# Altium PCB F21-MAIN-CTM - BOM.PcbDoc (continued)
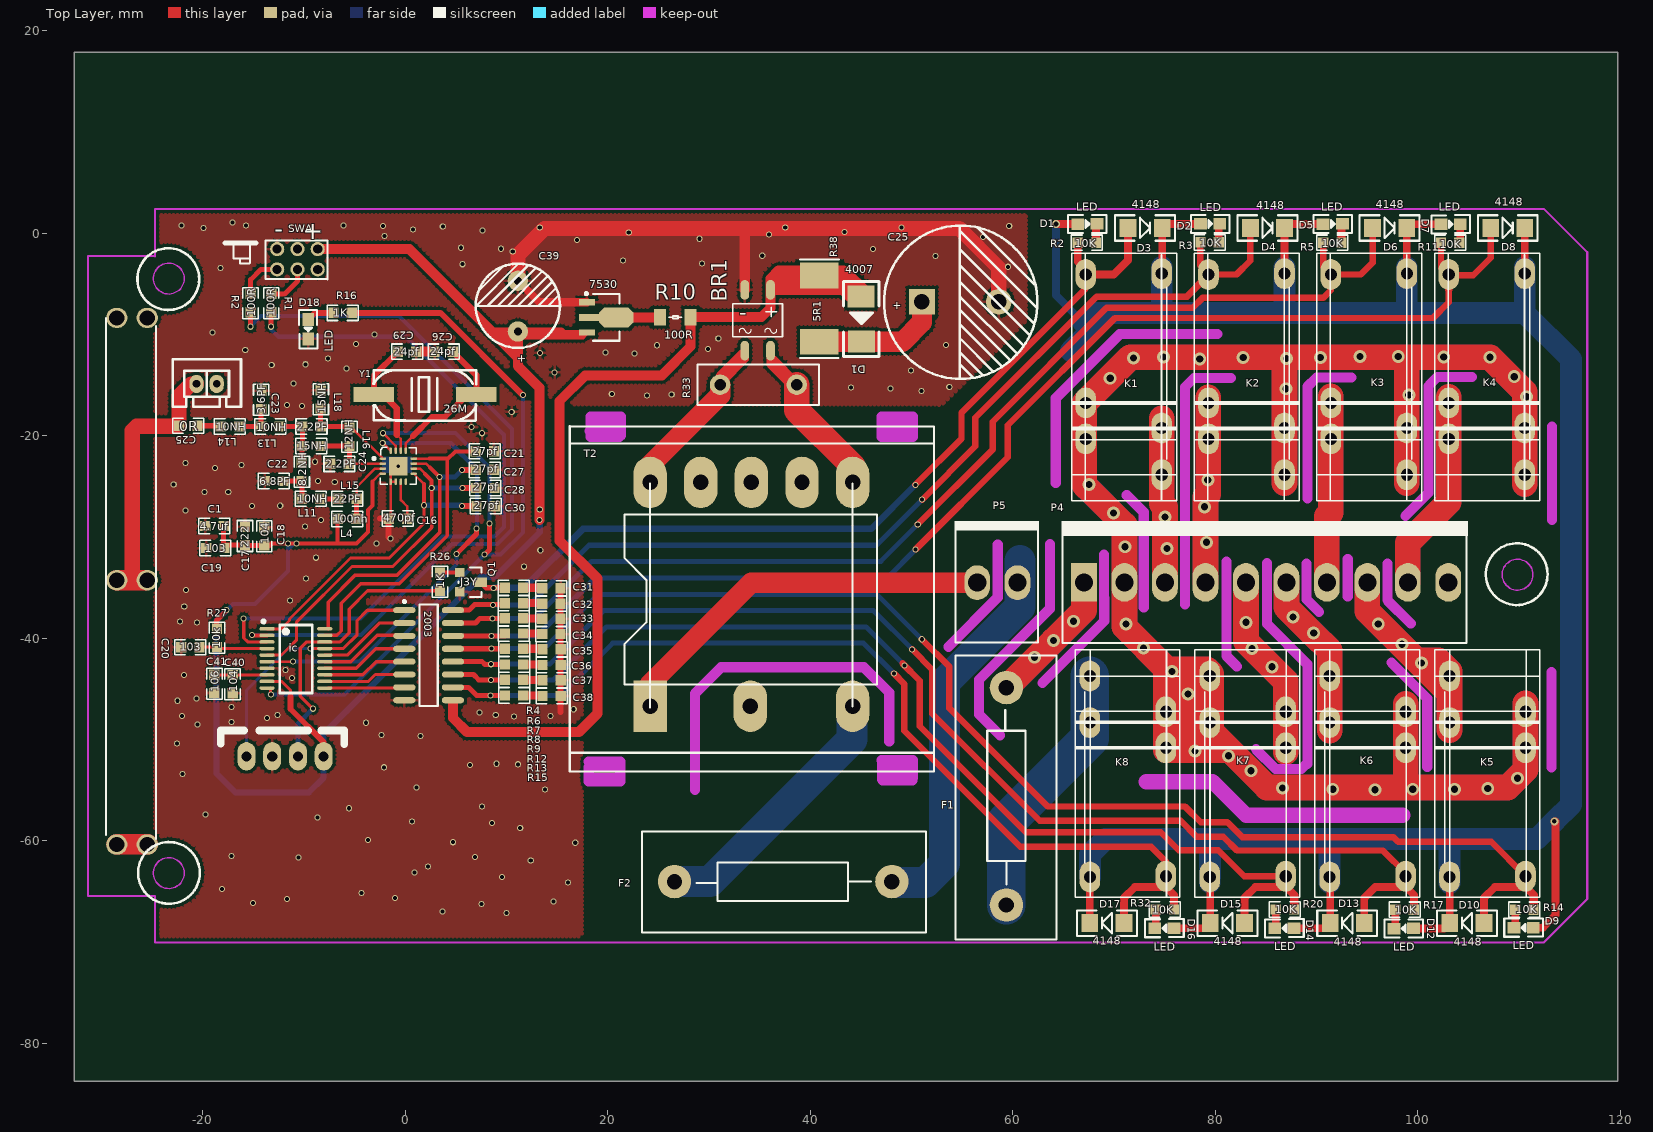
[diagram p0: Top Layer view]
## Nets (pads, with @x,y where several pads share a name; then routed paths per layer and width w, separated by ;. In a path a pad name is that pad's centre, name@x,y a point inside that pad or via, vN(x,y) a via of type N, cw(c..) or ccw(c..) an arc to the next point about the centre after c; other vN are vias at no path point) (continued)
Net2_15: D6.1 K3.4 R5.2 | length 63.9
  Top Layer w0.635: v1(50.605,-28.736) 58.001,-21.34 58.001,-18.597 69.253,-7.345 77.762,-7.345 78.727,-6.38 90.64,-6.38 91.402,-5.618 K3.4@91.402,-4.104 ; K3.4@90.64,-3.342 R5.2 ; K3.4 94.353,-4.062 95.519,-2.896 D6.1
Net2_16: D4.1 K2.4 R3.2 | length 53.6
  Top Layer w0.635: v1(51.037,-26.297) 56.299,-21.035 56.299,-18.216 68.263,-6.253 77.125,-6.253 ; R3.2 78.522,-3.177 79.407,-4.062 82.086,-4.062 83.454,-2.695 D4.1 ; K2.4@79.316,-4.147 77.21,-6.253 77.125,-6.253 ; K2.4 77.125,-6.253
Net3_1: 
Net3_2: 
Net3_3: 
Net3_5: 
NetC1_2: 
NetC2_2: 
NetC8_2: 
NetC11_2: 
NetC14_2: 
NetC15_2: 
NetC16_2: 
NetC17_2: 
NetC18_2: 
NetC19_2: 
NetC20_2: 
NetC21_2: 
NetC22_2: 
NetC23_1: T2.4 | length 11.9
  Top Layer w2.54: 38.663,-14.946 38.663,-17.454 44.176,-22.967 T2.4
NetC23_2: T2.3 | length 12.5
  Top Layer w2.032: T2.3 24.176,-22.891 31.085,-15.981 31.085,-14.946
NetC25_1: C25.1@51.019,-6.756
NetD1_2: D1.2@68.313,0.928 R2.1@68.218,-0.919 | length 1.8
  Top Layer w0.762: R2.1@68.218,-0.919 D1.2@68.218,0.833
NetD2_1: D2.1 K1.4 R2.2@66.408,-0.919 | length 84.7
  Top Layer w0.508: K1.4@67.198,-5.362 K1.4
  Top Layer w0.635: v1(50.368,-24.833) 54.927,-20.273 54.927,-17.708 67.198,-5.438 K1.4@67.198,-5.362
  Top Layer w0.762: R2.2@66.408,-0.919 66.408,-2.773 67.697,-4.062 69.971,-4.062 71.363,-2.669 D2.1 D2.1@71.336,0.502
  Bottom Layer w0.635: 8.738,-35.008 11.728,-35.008 17.547,-29.189 46.012,-29.189 v1(50.368,-24.833)
NetD3_2: D3.2 R3.1 | length 1.7
  Top Layer w0.762: R3.1 D3.2@80.332,0.846
NetD5_2: D5.2 R5.1 | length 1.8
  Top Layer w0.762: R5.1 D5.2@92.45,0.833
NetD7_2: D7.2 R11.1 | length 1.7
  Top Layer w0.762: R11.1@104.178,-0.823 D7.2
NetD9_2: D9.2 R14.1 | length 1.6
  Top Layer w0.762: D9.2@109.607,-68.431 R14.1
NetD11_1: 
NetD12_2: D12.2 R17.1 | length 1.7
  Top Layer w0.762: D12.2@97.771,-68.525 R17.1
NetD14_2: D14.2 R20.1 | length 1.8
  Top Layer w0.762: D14.2@85.96,-68.525 R20.1
NetD16_2: D16.2 R32.1 | length 1.8
  Top Layer w0.762: D16.2@74.098,-68.532 R32.1
NetF1_1: F1.1 K8.2 | length 26
  Bottom Layer w3.81: F1.1 59.366,-58.096 67.6,-49.862 67.6,-48.311 K8.2@67.6,-43.707
NetF1_2: F1.2 P4.1 | length 27.2
  Top Layer w2.54: F1.2 v2(64.021,-40.206) 67.018,-37.209 P4.1
  Bottom Layer w2.54: F1.2 59.423,-44.861 v2(65.977,-38.307) 67.018,-37.266 P4.1
  other v2: 62.141,-41.863
NetF2_1: F2.1 P5.2 | length 39
  Bottom Layer w3.048: F2.1@48.038,-64.091 51.369,-64.091 53.245,-62.215 53.245,-44.359 60.719,-36.885 60.719,-32.288
NetF2_2: F2.2 T2.2 | length 25.8
  Bottom Layer w3.048: F2.2 30.099,-64.016 44.125,-49.991 T2.2@44.125,-47.541
NetK1_1: K1.1 P4.3 | length 32.7
  Top Layer w2.54: K1.1@74.701,-18.267 74.701,-19.228 74.701,-23.832 74.701,-26.687 75.014,-27 v2(75.014,-27.995) P4.3
  Bottom Layer w2.54: K1.1@74.701,-18.267 74.701,-19.228 74.701,-23.832 74.701,-26.687 75.014,-27 v2(75.014,-27.995) P4.3
  other v2: 75.222,-31.119
NetK1_2: K1.2 K2.2 K3.2 K4.2 K5.2 K6.2 K7.2 K8.1 P4.2 | length 383.3
  Top Layer w2.54: K7.2@78.651,-48.696 79.083,-48.696 79.439,-49.052 v2@81.407,-51.02 ; K2.2@86.819,-24.642 86.819,-23.832 86.819,-19.228 v2@86.819,-12.745 ; 98.782,-54.626 98.782,-50.798 98.782,-47.242 K6.2@98.782,-46.461 ; K3.2@98.905,-24.668 98.905,-23.832 98.905,-19.228 98.905,-12.516 ; K4.2@110.547,-24.744 110.547,-23.832 110.547,-19.228 110.547,-15.661 v2(107.118,-12.232) 82.74,-12.232 71.596,-12.232 67.039,-16.789 67.039,-24.816 67.272,-25.049 71.016,-28.793 P4.2 71.016,-38.847 75.104,-42.934 75.104,-47.242 75.104,-50.798 75.104,-51.02 v2@81.407,-51.02 ; K5.2@110.621,-46.427 110.621,-47.242 110.621,-50.798 110.621,-52.972 108.877,-54.716 95.745,-54.716 85.103,-54.716 v2@81.407,-51.02
  Top Layer w2.794: v2@75.336,-43.188 77.203,-43.188 ; 77.203,-49.915 77.203,-43.707 77.203,-43.188 ; 79.388,-50.474 79.439,-50.423 79.439,-49.052 79.439,-48.311 79.439,-43.707 79.439,-43.505 79.123,-43.188 77.203,-43.188
  Bottom Layer w2.54: K7.2@78.651,-48.696 79.083,-48.696 79.439,-49.052 v2@81.407,-51.02 ; K2.2@86.819,-24.642 86.819,-23.832 86.819,-19.228 v2@86.819,-12.745 ; 98.782,-54.626 98.782,-50.798 98.782,-47.242 K6.2@98.782,-46.461 ; K3.2@98.905,-24.668 98.905,-23.832 98.905,-19.228 98.905,-12.516 ; K4.2@110.547,-24.744 110.547,-23.832 110.547,-19.228 110.547,-15.661 v2(107.118,-12.232) 98.057,-12.232 71.596,-12.232 67.039,-16.789 67.039,-24.816 71.016,-28.793 P4.2 71.016,-38.847 75.104,-42.934 75.104,-47.242 75.104,-50.798 75.104,-51.02 v2@81.407,-51.02 ; K5.2@110.621,-46.427 110.621,-47.242 110.621,-50.798 110.621,-52.972 108.877,-54.716 85.103,-54.716 v2@81.407,-51.02
  Bottom Layer w2.794: v2@75.336,-43.188 77.203,-43.188 ; 77.203,-49.915 77.203,-43.707 77.203,-43.188 ; 79.388,-50.474 79.439,-50.423 79.439,-49.052 79.439,-48.311 79.439,-43.707 79.439,-43.505 79.123,-43.188 77.203,-43.188
  other v2: 95.745,-54.944 91.58,-54.894 99.479,-54.894 103.594,-54.894 106.896,-54.817 86.627,-54.767 109.842,-53.801 83.502,-53.065 81.293,-51.592 77.979,-51.109 77.305,-45.496 75.705,-43.26 72.911,-40.949 71.158,-38.587 71.082,-30.941 69.939,-27.614 67.526,-24.795 110.731,-16.133 99.098,-15.955 86.957,-15.346 69.609,-14.304 109.512,-14.152 78.448,-12.399 87.008,-12.349 71.92,-12.298 82.74,-12.272 90.361,-12.272 74.867,-12.222 102.552,-12.222 94.272,-12.171 98.057,-12.171
NetK2_1: K2.1 P4.4 | length 36.8
  Top Layer w2.54: P4.4 79.012,-26.034 79.286,-25.76 79.286,-16.741 K2.1@79.286,-16.184
  Bottom Layer w2.54: P4.4 79.012,-26.034 79.286,-25.76 K2.1@79.286,-16.184
  other v2: 79.108,-30.51 78.93,-27.004 79.25,-24.363
NetK3_1: K3.1 P4.7 | length 37
  Top Layer w2.54: P4.7 91.007,-27.963 91.402,-27.567 91.402,-20.297 91.402,-16.741 K3.1@91.402,-16.108
  Bottom Layer w2.54: P4.7 91.007,-27.963 91.402,-27.567 91.402,-20.297 91.402,-16.741 K3.1@91.402,-16.108
NetK4_1: K4.1 P4.9 | length 40
  Top Layer w2.54: P4.9 99.003,-30.573 103.044,-26.532 103.044,-20.297 103.044,-16.741 K4.1@103.044,-16.159
  Bottom Layer w2.54: P4.9 99.003,-30.573 103.044,-26.532 103.044,-20.297 103.044,-16.741 K4.1@103.044,-16.159
NetK5_1: K5.1 P4.8 | length 46.6
  Top Layer w2.54: P4.8 95.005,-37.288 100.241,-42.524 103.118,-45.4 ; v2@100.393,-42.143 102.019,-42.143 103.118,-43.241 103.118,-43.707 103.118,-45.4 ; K5.1@103.118,-49.058 103.118,-48.311 103.118,-45.4
  Bottom Layer w2.54: P4.8 95.005,-37.288 96.19,-38.473 102.271,-44.554 103.118,-45.4 ; v2@100.393,-42.143 102.019,-42.143 103.118,-43.241 103.118,-43.707 103.118,-45.4 ; K5.1@103.118,-49.058 103.118,-48.311 103.118,-45.4
  other v2: 100.343,-42.422 98.438,-40.568 96.075,-38.587
NetK6_1: K6.1 P4.6 | length 32.8
  Top Layer w2.54: P4.6 87.009,-36.911 89.624,-39.527 91.278,-41.181 91.278,-43.707 91.278,-48.311 K6.1@91.278,-49.081
  Bottom Layer w2.54: P4.6 87.009,-36.911 91.278,-41.181 91.278,-43.707 91.278,-48.311 K6.1@91.278,-49.081
  other v2: 89.7,-39.45 87.668,-37.876
NetK7_1: K7.1 P4.5 | length 36.7
  Top Layer w2.54: P4.5 83.01,-40.279 86.943,-44.212 86.943,-47.242 86.943,-50.798 K7.1@86.943,-51.211
  Bottom Layer w2.54: P4.5 83.01,-40.279 85.56,-42.829 86.943,-44.212 86.943,-47.242 86.943,-50.798 K7.1@86.943,-51.211
  other v2: 85.585,-42.803 83.604,-41 83.026,-38.409
NetL1_1: 
NetP2_1: 
NetP2_2: 
NetP3_2: 
NetP3_3: 
NetP5_1: P5.1 T2.1 | length 38.7
  Top Layer w2: T2.1 24.176,-44.481 34.167,-34.489 P5.1
NetPIC1_4: 
NetPIC1_5: 
NetPIC1_14: 
NetPIC1_15: 
NetPIC1_16: 
NetPIC1_17: 
NetPIC1_18: 
NetPIC1_21: 
NetPIC1_22: 
NetPIC1_23: 
NetPIC1_24: 
NetQ1_2: 
VCC: D1.1@66.408,0.918 D2.2 D3.1 D4.2 D5.1 D6.2 D7.1 D8.2 D9.1 D10.2 D12.1 D13.2 D14.1 D15.2 D16.1 D17.2 K1.3 K2.3 K3.3 K4.3 K5.3 K6.3 K7.3 K8.3 | length 262
  Top Layer w0.762: v3(64.255,0.918) D1.1@66.408,0.918 ; D17.2 K8.3@67.59,-63.571 ; K1.3@74.739,-3.939 D2.2 ; D2.2@75.141,0.93 D3.1 ; D16.1 D15.2@78.987,-68.604 ; D15.2 K7.3@79.489,-63.612 ; K2.3@86.83,-3.967 D4.2 ; D4.2@87.218,0.918 D5.1 ; D14.1 D13.2@90.818,-68.61 ; D13.2 K6.3@91.326,-63.609 ; K3.3@98.895,-3.967 D6.2 ; D6.2@99.258,0.892 D7.1 ; D12.1 D10.2@102.603,-68.635 ; D10.2 K5.3@103.137,-63.58 ; K4.3@110.553,-3.971 D8.2 ; D9.1 112.337,-68.554 113.576,-67.314 113.576,-58.069 v3(113.474,-58.069)
  Bottom Layer w0.762: v3(64.255,0.918) 64.255,-6.106 66.967,-8.818
  Bottom Layer w2.159: 65.742,-11.612 69.482,-7.872 ; 66.967,-8.818 67.913,-7.872 69.482,-7.872 ; K8.3 67.6,-61.335 69.12,-59.815 79.465,-59.815 ; 74.701,-7.654 K1.3 K1.3@74.701,-3.306 ; K7.3@79.439,-64.087 K7.3 79.465,-63.536 79.465,-59.815 ; 86.83,-7.728 K2.3@86.83,-3.357 ; K6.3@91.278,-64.117 K6.3 91.278,-59.837 91.3,-59.815 ; 98.895,-7.686 K3.3@98.895,-3.357 ; K5.3@103.118,-64.163 K5.3 103.118,-59.885 ; K4.3@110.547,-3.321 K4.3 110.547,-7.872 ; 69.482,-7.872 110.547,-7.872 ; 79.465,-59.815 91.3,-59.815 ; 91.3,-59.815 111.728,-59.815 v3(113.474,-58.069) 115.126,-56.418 115.126,-12.45 110.547,-7.872
"VCC   5V": 
pads on no net: 2003.1 2003.2 2003.3 2003.4 2003.5 2003.6 2003.7 2003.9 2003.10 2003.11 2003.12 2003.13 2003.14 2003.15 2003.16 ?.2 ?.3 ?.5 ?.6 ?.10 ?.11 ?.12 ?.13 ?.14 ?.15 ?.16 ?.17 ?.18 ?.19 ?.20 ?.NRST ?.RXD ?.SCLK ?.TXD ?.vcap ?.vdd BR1.+ BR1.L BR1.N C1.1 C16.1 C17.2 C18.2 C19.1 C20.1 C21.2 C22.1 C23.1 C24.1 C25.1@-22.327,-18.999 C25.2@-20.517,-18.999 C26.2 C27.2 C28.2 C29.1 C30.2 C31.2 C32.2 C33.2 C34.2 C35.2 C36.2 C37.2 C38.2 C39.1 C40.2 C41.2 D1.1@45.024,-6.241 D1.2@45.045,-10.675 D18.1 L4.1 L4.2 L6.1 L6.2 L11.1 L11.2 L13.1 L13.2 L14.1 L14.2 L15.1 L15.2 L16.1 L16.2 L18.1 P1.1 P1.2 P4.10 Q1.2 Q1.3 R1.1 R1.2 R2.1@-15.265,-7.798 R2.2@-15.265,-5.988 R4.1 R4.2 R6.1 R6.2 R7.1 R7.2 R8.1 R8.2 R9.1 R9.2 R10.1 R10.2 R12.1 R12.2 R13.1 R13.2 R15.1 R15.2 R16.1 R16.2 R26.1 R26.2 R27.1 R27.2 R33.1 R33.2 R38.1 R38.2 T2.0 Y1.1 Y1.2 烧?.3V3 烧?.SWCLK 烧?.SWDIO
copper on no net: | length 1490.7
  Top Layer w0.229: -0.838,-19.888 -0.436,-20.291 -0.436,-21.462 ; 0.064,-21.462 0.064,-20.713 0.762,-20.015
  Top Layer w0.25: -13.315,-42.288 v1(-11.077,-42.288) ; -5.457,-22.737 -2.211,-22.737 ; -5.195,-19.253 -2.211,-22.237 ; -4.801,-26.213 -4.801,-25.07 -2.968,-23.237 -2.211,-23.237 ; -3.226,-24.486 -2.477,-23.737 -2.211,-23.737 ; v1(-2.222,-20.688) -2.21,-20.688 -1.436,-21.462 ; v1(-2.184,-19.736) -0.936,-20.984 -0.936,-21.462 ; -1.632,-28.169 -1.436,-27.972 -1.436,-24.512 ; -1.436,-23.077 -1.436,-24.512 ; -0.936,-24.512 -1.436,-24.512 ; -0.436,-24.512 -0.436,-26.336 0.178,-26.949 0.178,-28.169 ; 0.839,-23.737 1.854,-24.752 1.854,-28.626 ; 0.839,-22.737 2.061,-22.737 2.603,-23.278 v1(3.404,-24.079) 3.404,-29.312 ; 0.839,-22.237 1.969,-22.237 ; 1.469,-23.237 0.839,-23.237 1.444,-23.237 2.667,-24.46 2.667,-29.007 ; 1.676,-22.237 2.393,-22.237 2.936,-22.237 4.23,-22.237 4.948,-21.519 ; 4.115,-29.82 4.115,-23.959 4.115,-23.416 4.115,-22.352 4.948,-21.519 ; v1(5.08,-31.648) 7.036,-29.693 v1(7.036,-29.139) ; v1(5.598,-26.934) 7.029,-26.934 ; v1(5.625,-23.355) 6.953,-23.355 ; v1(5.644,-25.151) 7.004,-25.151 ; 6.953,-21.519 4.948,-21.519 ; 8.407,-29.616 8.407,-29.178
  Top Layer w0.3: -20.299,-40.848 -18.593,-40.848 ; -18.771,-43.605 -17.043,-43.605 ; -18.752,-40.988 -13.315,-40.988 ; -18.255,-40.988 -17.602,-40.988 ; -16.856,-43.596 -13.645,-43.596 ; -13.645,-44.246 -12.193,-44.246 -11.328,-45.11 -11.328,-46.38 ; -13.645,-41.638 -12.225,-41.638 -10.719,-40.132 -10.719,-38.354 -5.258,-32.893 -1.219,-32.893 2.616,-29.058 v1(2.616,-25.151) ; -13.645,-39.046 -12.249,-39.046 -11.43,-38.227 -11.43,-38.075 -5.41,-32.055 -1.575,-32.055 1.854,-28.626 v1(1.854,-26.848) ; v1@-13.315,-45.486 -13.315,-44.888 ; -2.032,-43.561 -0.089,-43.561 ; -2.007,-42.291 -0.089,-42.291
  Top Layer w0.32: v1(-15.951,-38.019) -15.951,-39.954 -15.559,-40.346 -13.645,-40.346 ; v1(-9.365,-40.996) -7.945,-40.996 -6.122,-40.996 -4.755,-39.629 -4.755,-38.23 -3.736,-37.211 -0.089,-37.211 ; v1(-9.119,-46.939) -10.363,-45.695 -10.363,-40.97 -9.739,-40.346 -7.945,-40.346 -6.437,-40.346 -5.537,-39.446 -5.537,-37.109 -3.727,-35.3 3.442,-35.3 ; -7.945,-44.246 -3.627,-44.246 -2.942,-43.561 -0.089,-43.561 ; -7.945,-43.596 -4.183,-43.596 -2.878,-42.291 -0.089,-42.291 ; -7.945,-42.946 -4.828,-42.946 -2.903,-41.021 -0.089,-41.021 ; -7.945,-42.296 -5.39,-42.296 -2.769,-39.675 -0.127,-39.675 ; -7.945,-41.646 -5.731,-41.646 -2.565,-38.481 -0.089,-38.481 ; -7.945,-39.696 -6.752,-39.696 -6.325,-39.268 -6.325,-36.525 -4.394,-34.595 -0.584,-34.595 4.166,-29.845 4.166,-22.301 ; -7.615,-44.888 -0.146,-44.888
  Top Layer w0.35: -7.615,-39.038 -7.615,-36.429 -4.968,-33.782 -0.838,-33.782 3.404,-29.54 v1(3.404,-24.079) ; 3.442,-33.49 5.385,-33.49
  Top Layer w0.4: v1@-15.092,-39.696 -13.645,-39.696 ; -13.741,-30.607 -4.801,-30.607 -3.683,-29.489 -3.683,-27.33 -3.226,-26.873 -3.226,-25.095 -3.226,-24.486 ; -13.5,-30.95 -13.157,-30.607 -7.29,-30.607 ; -6.68,-30.607 -6.68,-28.238 ; v1(1.854,-26.848) 1.854,-24.752 ; 1.956,-23.749 2.616,-24.409 v1(2.616,-25.151) ; 2.393,-22.237 4.23,-22.237 ; 2.464,-23.139 v1(3.404,-24.079) ; 4.115,-22.352 4.948,-21.519 6.953,-21.519
  Top Layer w0.5: -20.517,-18.999 -18.288,-18.999 ; -18.644,-39.038 -18.644,-38.227 v1(-17.628,-37.211) ; -17.932,-30.989 -17.932,-28.905 ; -17.875,-30.791 -15.824,-30.791 ; -16.402,-19.075 -14.224,-19.075 -14.224,-17.348 ; -15.799,-30.817 -13.919,-30.817 ; v1(-15.265,-9.22) -15.265,-7.798 ; -15.265,-5.988 -15.265,-4.572 -14.249,-3.556 -12.643,-3.556 ; v1(-13.233,-9.22) -13.233,-7.798 ; -13.233,-5.988 -11.906,-5.988 -10.643,-4.724 -10.643,-3.556 ; -12.414,-19.075 -10.16,-19.075 -10.16,-20.98 ; -12.065,-24.46 -10.211,-24.46 -10.211,-26.206 ; -10.185,-22.625 -10.185,-21.006 ; -8.407,-26.213 -6.61,-26.213 ; -8.376,-21.006 -5.512,-21.006 -5.512,-22.682 ; -8.35,-17.316 -8.35,-19.075 -5.766,-19.075 -5.645,-19.196 ; -4.801,-28.169 -4.801,-26.213 ; 4.711,-44.831 6.248,-44.831 7.056,-45.639 9.842,-45.639 ; 4.711,-43.561 6.731,-43.561 7.259,-44.089 9.842,-44.089 ; 4.711,-42.291 7.595,-42.291 7.869,-42.565 9.842,-42.565 ; 4.711,-41.021 9.677,-41.021 ; 4.711,-39.751 9.866,-39.751 ; 4.711,-38.481 6.929,-38.481 7.391,-38.019 9.817,-38.019 ; 4.711,-37.211 6.303,-37.211 6.862,-36.652 9.627,-36.652 ; v1(5.08,-31.648) 7.036,-29.693 v1(7.036,-29.139) ; 7.417,-34.455 7.958,-34.996 9.817,-34.996 ; v1(7.823,-31.725) 8.338,-31.21 v1(8.338,-28.663) ; 10.82,-9.982 11.048,-10.21 17.533,-10.21 17.937,-9.806 15.391,-9.806
  Top Layer w0.6: -11.328,-45.745 -11.328,-46.965 -8.052,-50.241 -8.052,-51.638 ; -9.581,-8.522 -8.908,-7.849 -7.093,-7.849 ; -5.283,-7.849 3.483,-7.849 v1(11.611,-15.977) ; -3.095,-15.908 -3.095,-14.068 -0.711,-11.684 ; -2.108,-16.078 -2.032,-16.078 -0.838,-17.272 -0.838,-19.888 ; 0.762,-20.015 2.642,-18.136 3.912,-18.136 6.426,-15.621 ; 4.705,-11.684 7.018,-13.996 7.018,-15.908 ; v1(5.598,-26.934) 6.858,-26.934 ; v1(5.625,-23.355) 6.953,-23.355 ; v1(5.644,-25.151) 7.004,-25.151
  Top Layer w0.762: 82.865,-68.102 82.865,-65.626 83.937,-64.554 87.002,-64.554 87.807,-65.358 87.807,-66.755 ; 94.702,-68.102 94.702,-65.626 95.774,-64.554 98.839,-64.554 99.643,-65.358 99.643,-66.755 ; 106.513,-68.102 106.513,-65.626 107.585,-64.554 110.65,-64.554 111.454,-65.358 111.454,-66.755
  Top Layer w0.8: 11.626,-39.52 13.482,-39.52 ; 11.626,-38.019 13.482,-38.019 ; 11.626,-36.52 13.482,-36.52 ; 11.626,-34.996 13.482,-34.996 ; 11.652,-45.639 13.508,-45.639 ; 11.652,-44.089 13.508,-44.089 ; 11.652,-42.565 13.508,-42.565 ; 11.652,-41.016 13.508,-41.016 ; 31.085,-14.946 31.085,-14.028 33.528,-11.585 33.528,-12.421 31.318,-14.63 31.318,-14.669 ; 36.068,-11.585 36.068,-12.954 38.024,-14.91 38.024,-15.316 ; 36.297,-12.395 38.663,-14.762 38.663,-14.946
  Top Layer w1: -8.643,-1.556 0.413,-1.556 8.663,-9.806 15.391,-9.806 ; 4.724,-46.406 4.724,-47.854 6.121,-49.251 17.145,-49.251 18.999,-47.396 18.999,-34.112 15.24,-30.353 15.24,-16.556 17.768,-14.028 25.324,-14.028 28.17,-11.182 28.17,-8.291 ; 8.306,-9.449 11.125,-12.268 11.125,-13.106 ; 10.033,-10.312 11.125,-11.405 11.125,-11.481 ; 11.125,-9.69 11.125,-13.106 ; v1(13.259,-28.296) 13.259,-15.24 11.125,-13.106 ; 21.071,-8.291 25.17,-8.291 ; 28.55,-8.255 35.179,-8.255 36.068,-7.366 36.068,-5.585 ; 39.675,-3.708 37.798,-5.585 ; 39.98,-3.658 36.862,-3.658 36.068,-4.451 36.068,-5.585 ; 44.272,-6.655 43.203,-5.585 37.798,-5.585 ; 36.068,-5.585 37.798,-5.585
  Top Layer w1.5: -26.949,-34.25 -26.949,-19.456 -26.543,-19.05 -22.53,-19.05 ; -22.327,-18.999 -22.327,-16.053 -21.138,-14.864 -20.616,-14.864
  Top Layer w2: -28.519,-60.317 -25.396,-60.317 ; -28.476,-34.25 -25.73,-34.25 ; 37.109,-4.928 37.865,-4.172 40.878,-4.172 43.212,-4.172 45.11,-6.071 ; 40.878,-10.712 49.105,-10.712 51.019,-8.798 51.019,-6.756
  Bottom Layer w0.25: v1(-2.222,-20.688) 4.287,-20.688 7.036,-23.437 7.036,-28.067 v1(7.036,-29.139) ; v1(-2.184,-19.736) 4.445,-19.736 ; v1(1.854,-26.848) v1@5.629,-26.848 ; v1(2.616,-25.151) v1(5.644,-25.151) ; v1(3.404,-24.079) 4.901,-24.079 v1(5.625,-23.355) ; 4.255,-29.921 8.814,-29.921 9.703,-29.032 9.703,-28.981 ; 4.623,-30.632 9.169,-30.632 10.465,-29.337
  Bottom Layer w0.32: -15.672,-51.638 -15.672,-45.132 -11.536,-40.996 v1(-9.365,-40.996)
  Bottom Layer w0.4: -18.288,-37.871 -17.018,-36.602 -14.846,-36.602 -11.582,-33.338 v1(-11.582,-30.607) v1(-10.744,-30.607) -10.973,-30.607 -11.582,-31.217 ; v1(-15.951,-38.019) -4.414,-38.019 3.683,-29.921 8.814,-29.921 9.754,-28.981 9.754,-19.888 0.076,-10.21 -12.523,-10.21 -13.233,-9.5 v1(-13.233,-9.22) ; v1(-15.265,-9.22) -14.224,-8.179 -0.61,-8.179 10.541,-19.329 10.541,-29.261 9.119,-30.683 4.623,-30.683 -4.369,-39.675 v1@-15.138,-39.675 ; v1@-13.386,-45.542 -5.994,-45.542 v1(7.823,-31.725) 9.405,-31.725 11.611,-29.518 v1(11.611,-15.977) ; v1(-11.077,-42.288) -4.519,-42.288 5.08,-32.69 v1(5.08,-31.648) ; v1(-2.222,-20.688) 4.513,-20.688 7.087,-23.262 v1@7.087,-29.088 ; v1(-2.184,-19.736) 4.953,-19.736 8.338,-23.121 v1(8.338,-28.663)
  Bottom Layer w0.5: -10.592,-51.638 -10.592,-48.412 v1(-9.119,-46.939) ; v1(1.854,-26.848) v1@5.512,-26.848 ; v1(2.616,-25.151) v1(5.644,-25.151) ; v1(3.404,-24.079) 4.901,-24.079 v1(5.625,-23.355) ; v1(8.433,-45.618) 15.342,-45.618 20.494,-40.466 22.796,-40.466 45.256,-40.466 48.255,-43.465 ; v1(8.484,-42.545) 14.27,-42.545 19.57,-37.244 22.771,-37.244 46.219,-37.244 50.055,-41.08 ; v1(8.487,-44.094) 14.63,-44.094 19.869,-38.855 21.603,-38.855 45.487,-38.855 49.29,-42.658 ; v1(8.509,-39.751) 13.005,-39.751 18.734,-34.022 27.788,-34.022 47.588,-34.022 50.444,-31.166 ; v1(8.534,-40.988) 13.723,-40.988 19.071,-35.64 21.603,-35.64 46.569,-35.64 51.006,-40.078 ; v1(8.636,-38.049) 12.725,-38.049 18.385,-32.389 21.069,-32.389 46.952,-32.389 50.605,-28.736 ; v1(8.687,-36.678) 12.268,-36.678 18.146,-30.8 23.167,-30.8 46.535,-30.8 51.037,-26.297
  Bottom Layer w0.6: v1(-17.628,-37.211) -18.644,-38.227 -18.644,-45.822 -18.644,-53.315 -18.567,-53.391 -16.764,-55.194 -9.5,-55.194 -8.052,-53.746 -8.052,-51.638 -8.052,-49.428 -5.766,-47.142 7.468,-33.909 8.875,-33.909 13.284,-29.5 v1(13.284,-27.254)
  Bottom Layer w1: -8.052,-51.638 -7.976,-51.638
  Bottom Layer w3.048: 48.038,-64.091 51.369,-64.091 53.245,-62.215 53.245,-44.359 60.719,-36.885 60.719,-32.288
  other v1: -13.259,-45.542 -15.138,-39.649 8.738,-35.008
  other v4: -0.686,-22.987

## Polygon pours and split planes (outlines as drawn)
GND on Bottom Layer "Bottom Layer-No Net" (hatched 90Degree grid 0.4 track 0.4, remove dead copper, pour order 2): -24.718,2.426 -24.706,2.438 60.985,2.438 60.985,-8.509 56.363,-13.132 53.01,-16.485 14.402,-16.485 14.402,-31.166 17.043,-33.807 16.942,-33.909 16.942,-47.269 16.942,-70.079 16.993,-70.129 16.891,-70.028 -24.718,-70.028 -24.718,2.426
GND on Top Layer "Bottom Layer-No Net" (hatched 90Degree grid 0.4 track 0.4, remove dead copper, pour order 4): -24.718,2.426 -24.68,2.464 61.316,2.464 61.316,-8.611 52.857,-17.069 52.705,-16.916 15.596,-16.916 15.596,-31.293 17.043,-32.741 17.45,-33.147 17.45,-52.299 17.45,-70.002 17.374,-70.079 17.323,-70.028 -24.718,-70.028 -24.718,2.426

## Keep-outs
Top Overlay:
  circle w0.254: c-23.329,-63.15 r3.048
Keep-Out Layer:
  circle w0.127: c-23.353,-63.176 r1.524
  circle w0.127: c109.83,-33.706 r1.524
  circle w0.127: c-23.353,-4.469 r1.524
  lines w0.203: -24.718,-65.413 -24.718,-70.028 112.082,-70.028 ; -24.718,-2.273 -24.718,2.426 111.891,2.426 112.433,2.426 116.717,-1.858 116.717,-65.731 112.42,-70.028 111.637,-70.028 ; -24.712,-65.413 -31.305,-65.413 -31.305,-2.231 -24.712,-2.231
  lines w0.3: 18.415,-53.416 20.93,-53.416 ; 18.491,-53.645 21.006,-53.645
  lines w1: 56.653,-44.067 56.653,-47.483 58.725,-49.555 ; 62.916,-44.399 69.037,-38.278 69.037,-36.017 ; 69.012,-38.278 69.012,-31.699 ; 71.247,-25.857 72.923,-27.534 72.923,-36.957 ; 76.987,-36.642 76.987,-15.799 ; 76.987,-18.059 76.987,-15.168 77.876,-14.279 81.509,-14.279 ; 81.077,-32.385 81.077,-41.722 82.111,-42.756 ; 83.998,-50.927 85.954,-52.883 88.494,-52.883 89.002,-52.375 89.078,-52.375 89.078,-42.545 85.09,-38.557 85.09,-32.537 ; 89.002,-35.966 89.002,-32.588 ; 89.002,-35.23 89.002,-36.144 90.246,-37.389 ; 89.078,-26.162 89.078,-15.138 89.988,-14.228 93.447,-14.228 ; 93.066,-35.865 93.066,-32.156 ; 96.977,-32.614 96.977,-36.22 99.289,-38.532 ; 97.384,-42.393 100.914,-45.923 100.914,-52.705 ; 98.755,-27.915 101.041,-25.629 101.041,-25.527 101.041,-15.062 ; 101.092,-15.011 101.93,-14.173 105.332,-14.173
  lines w1.016: 28.607,-54.947 28.607,-45.443 31.21,-42.839 45.286,-42.839 47.784,-45.337 47.784,-50.142 ; 53.647,-40.807 58.515,-35.939 58.515,-30.732 ; 56.653,-44.067 63.659,-37.061 63.659,-30.69 ; 64.23,-24.657 64.23,-16.275 70.559,-9.946 80.211,-9.946 ; 113.189,-52.724 113.189,-43.347 ; 113.231,-28.277 113.231,-19.111
  lines w1.524: 73.184,-54.142 79.714,-54.142 83.026,-57.455 98.489,-57.455

## Other copper
Bottom Layer:
  rectangle net GND: -2.286,-23.647 0.66,-22.022

## Silkscreen, mask and mechanical layers (free items; w line width, h text height)
Top Overlay:
  circle w0.254: c-23.393,-4.521 r3.048
  circle w0.254: c109.753,-33.655 r3.048
  circle w0.25: c-3.086,-22.237 r0.125
  lines w0.127: -2.464,-24.13 -2.464,-24.79 -1.702,-24.79 ; -2.438,-21.895 -2.438,-21.361 -2.21,-21.133 -1.778,-21.133 ; 0.33,-21.158 1.092,-21.158 1.092,-21.819 ; 0.432,-24.79 1.092,-24.79 1.092,-24.028
  lines w0.2: -29.561,-59.428 -29.561,-8.374 ; -24.587,-59.788 -24.587,-9.136 ; -16.942,-1.016 -16.942,-2.489 -15.469,-2.489 ; -16.294,-2.489 -16.294,-2.959 -16.307,-2.972 -15.367,-2.972 -15.316,-2.921 -15.316,-0.94 ; -7.696,-4.521 -13.818,-4.521 -13.818,-0.686 -7.671,-0.686 -7.671,-4.547
  lines w0.5: -17.805,-0.94 -15.316,-0.94 -14.732,-0.94
  text "4148" at 107.569,2.743 h0.8
  text "4148" at 71.73,2.489 h0.8
  text "4148" at 95.834,2.489 h0.8
  text "4148" at 84.049,2.362 h0.8
  text "LED" at 102.032,2.235 h0.8
  text "LED" at 66.243,2.21 h0.8
  text "LED" at 90.449,2.21 h0.8
  text "LED" at 78.448,2.184 h0.8
  text "+" at -8.103,1.499 h3 r180
  text "-" at -12.065,1.473 h3 r180
  text "SWA" at -11.557,-0.127 h1.27
  text "10K" at 78.435,-1.321 h0.8
  text "10K" at 66.116,-1.372 h0.8
  text "10K" at 90.5,-1.372 h0.8
  text "10K" at 102.133,-1.448 h0.8
  text "4007" at 43.459,-3.937 h0.8
  text "7530" at 18.161,-5.41 h0.8
  text "100R" at -12.903,-8.23 h0.8 r90
  text "100R" at -14.808,-8.255 h0.8 r90
  text "1K" at -7.093,-8.255 h0.8
  text "100R" at 25.552,-10.389 h0.8
  text "LED" at -7.137,-11.684 h0.8 r90
  text "24pf" at 2.489,-12.014 h0.8
  text "24pf" at -1.118,-12.065 h0.8
  text "26M" at 3.785,-17.704 h0.8
  text "15NH" at -7.849,-17.755 h0.8 r90
  text "3.6PF" at -13.818,-17.856 h0.8 r90
  text "10NH" at -18.72,-19.482 h0.8
  text "2.2PF" at -10.693,-19.482 h0.8
  text "0R" at -22.327,-19.523 h1
  text "10NH" at -14.732,-19.558 h0.8
  text "15NH" at -10.719,-21.387 h0.8
  text "12NH" at -5.182,-21.387 h0.8 r90
  text "27pf" at 6.604,-21.92 h0.8
  text "2.2PF" at -7.899,-23.165 h0.8
  text "27pf" at 6.655,-23.647 h0.8
  text "6.8PF" at -14.402,-24.867 h0.8
  text "8.2NH" at -9.754,-24.994 h0.8 r90
  text "27pf" at 6.706,-25.425 h0.8
  text "10NH" at -10.643,-26.594 h0.8
  text "22PF" at -7.036,-26.619 h0.8
  text "27pf" at 6.756,-27.254 h0.8
  text "470pf" at -2.184,-28.499 h0.8
  text "100nh" at -7.137,-28.6 h0.8
  text "4.7uf" at -20.269,-29.337 h0.8
  text "104" at -13.487,-30.658 h0.8 r90
  text "222" at -15.469,-31.013 h0.8 r90
  text "103" at -19.787,-31.471 h0.8
  text "J3Y" at 5.436,-34.798 h0.8
  text "1K" at 3.861,-35.044 h0.8 r90
  text "10k" at -18.255,-40.988 h0.8 r90
  text "103" at -22.276,-41.224 h0.8
  text "ic" at -11.506,-41.326 h0.8
  text "106" at -18.415,-45.263 h0.8 r90
  text "104" at -16.586,-45.288 h0.8 r90
  text "10K" at 85.928,-67.132 h0.8
  text "10K" at 109.677,-67.132 h0.8
  text "10K" at 73.762,-67.208 h0.8
  text "10K" at 97.771,-67.208 h0.8
  text "4148" at 67.894,-70.256 h0.8
  text "4148" at 79.832,-70.307 h0.8
  text "4148" at 91.694,-70.333 h0.8
  text "4148" at 103.53,-70.333 h0.8
  text "LED" at 109.372,-70.688 h0.8
  text "LED" at 85.827,-70.764 h0.8
  text "LED" at 73.889,-70.815 h0.8
  text "LED" at 97.561,-70.815 h0.8
Mechanical 13:
  circle w0.1: c-38.345,-38.947 r0.5
  lines w0.1: -39.295,-40.997 -39.295,-37.997 -36.295,-37.997 -36.295,-40.997 -39.295,-40.997
Mechanical 15:
  lines w0.1: -38.295,-39.497 -37.295,-39.497 ; -37.795,-39.997 -37.795,-38.997 ; -39.895,-41.597 -39.895,-37.397 -35.695,-37.397 -35.695,-41.597 -39.895,-41.597

## Text inside footprints (layer, text, board x,y; h text height)
BR1: Top Overlay "-" at 32.969,-8.509 h1.52
C25: Top Overlay "+" at 48.134,-7.501 h0.76
C39: Top Overlay "+" at 11.163,-11.957 h0.76 r270